# Altium PCB HallFM2_2.PcbDoc (part 2 of 3) (continued)
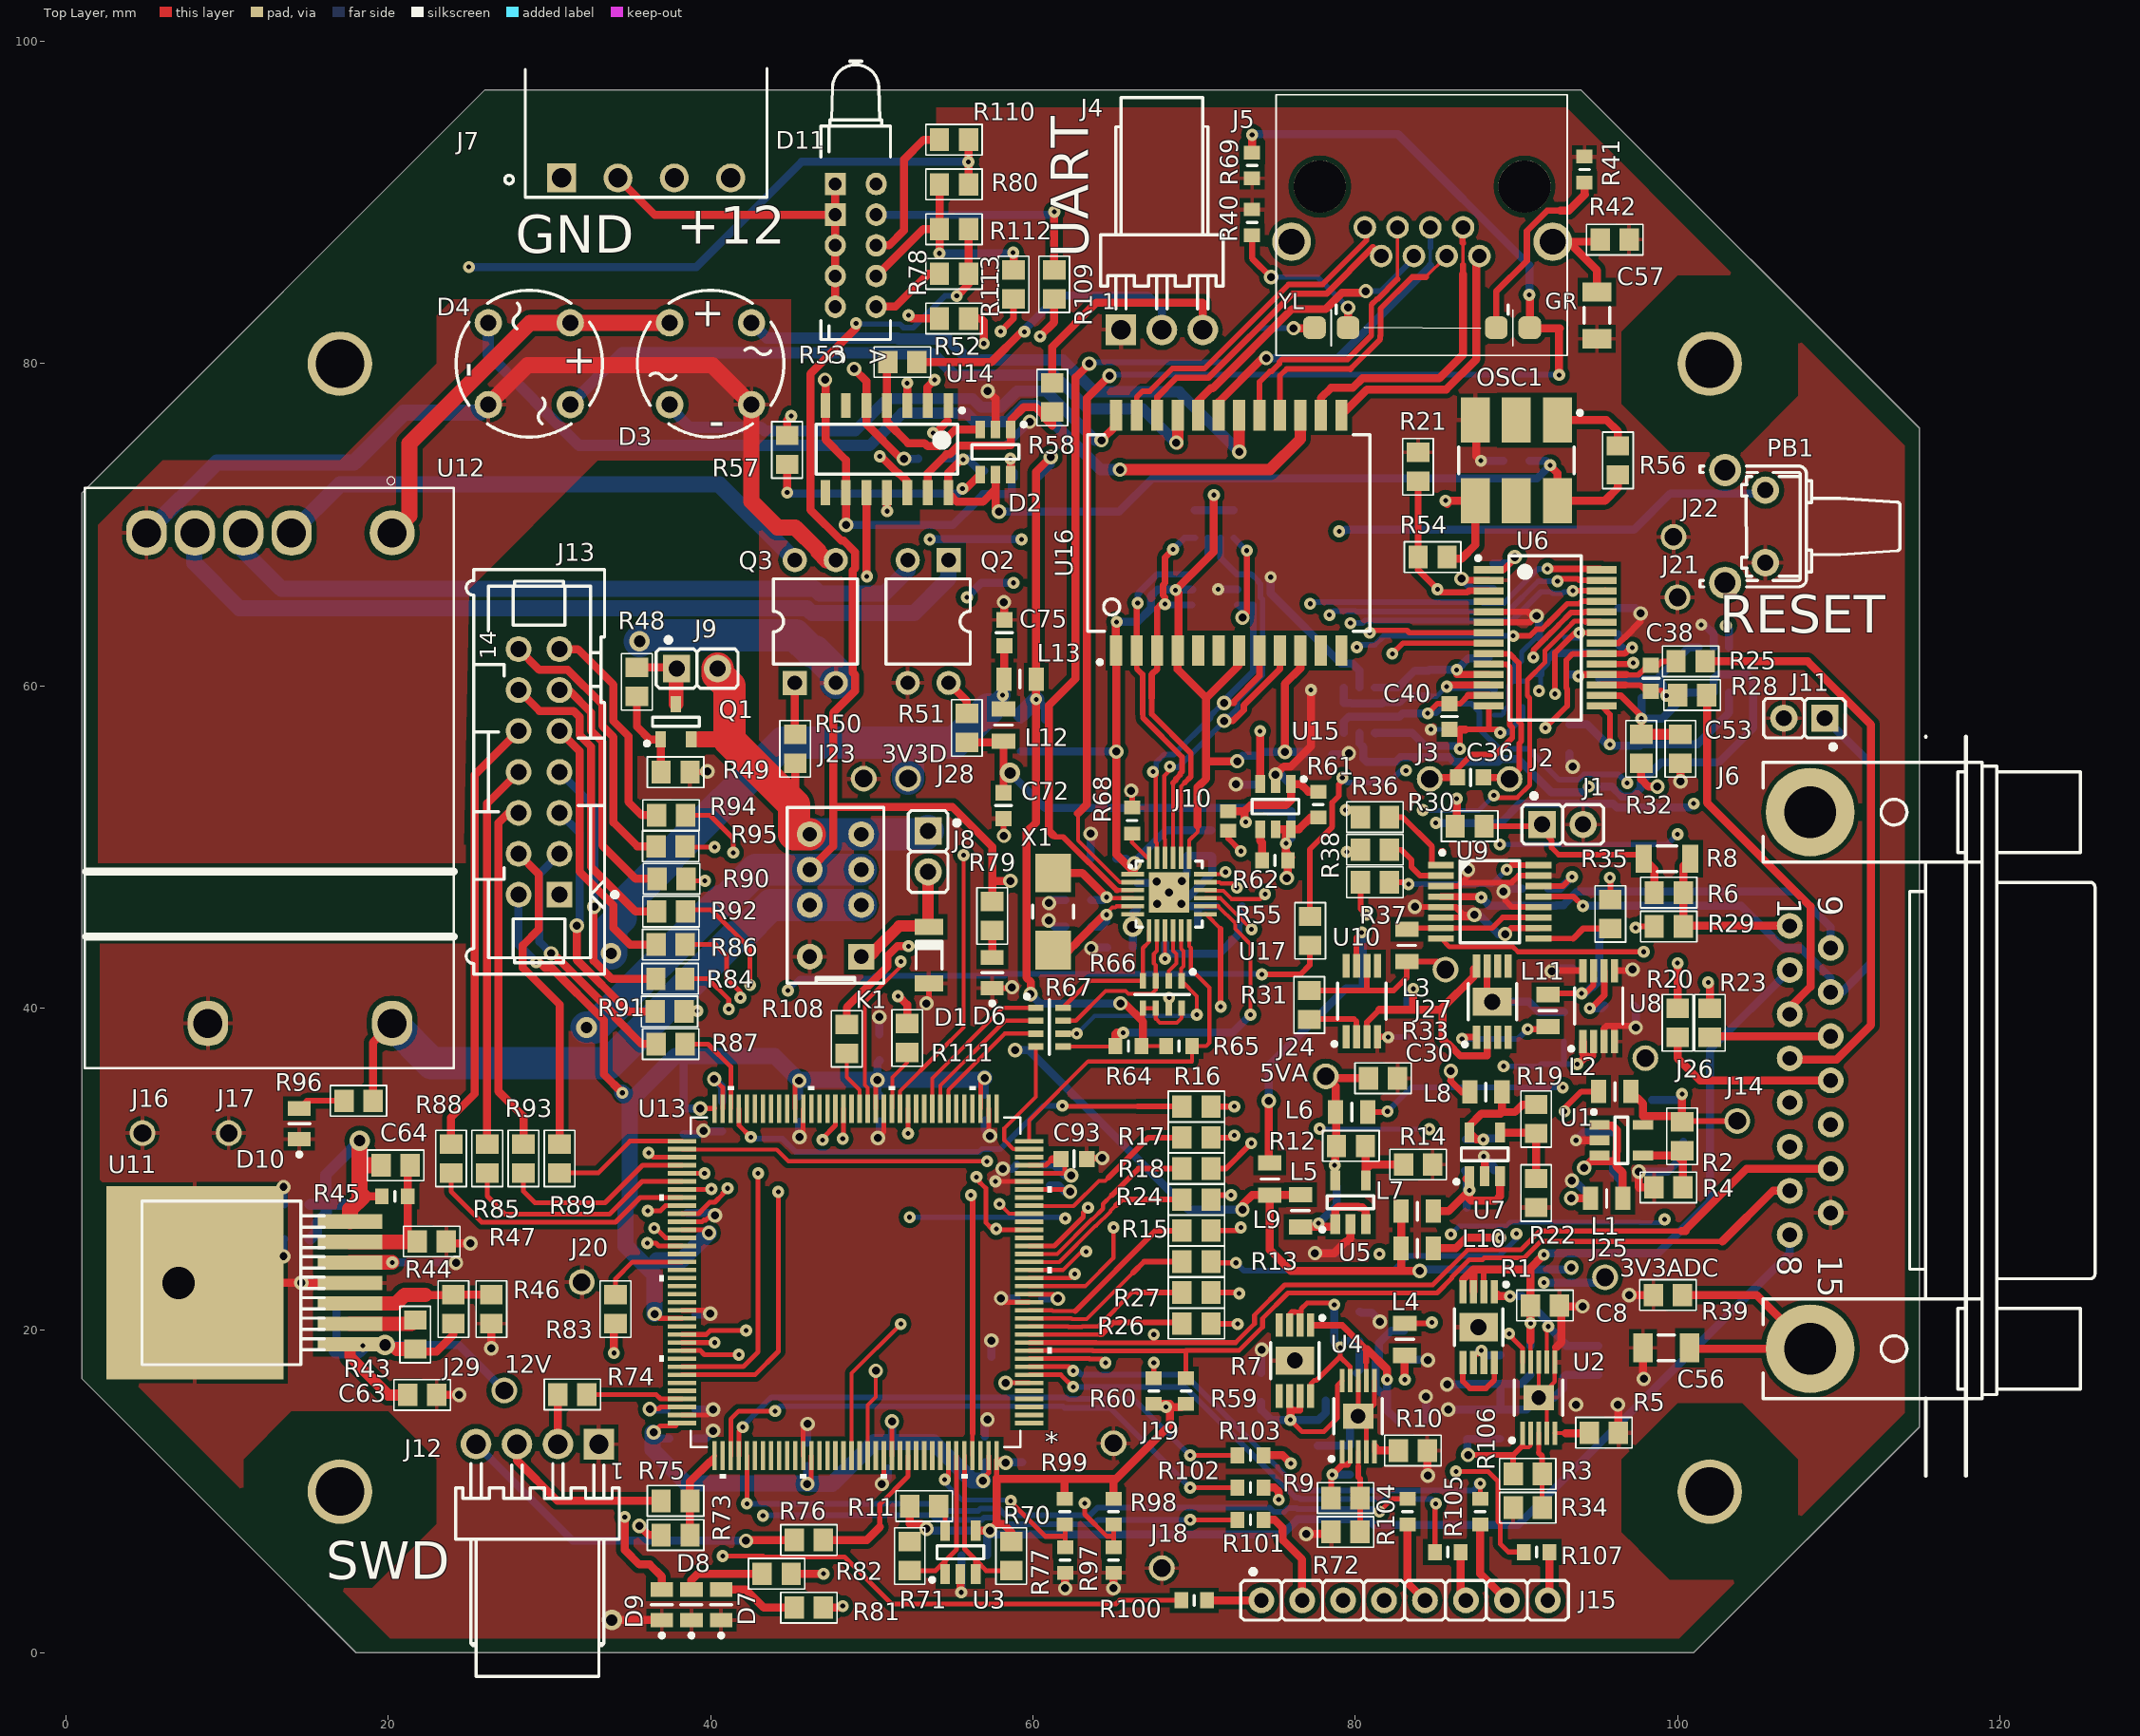
[diagram p0: Top Layer view]
## Nets (pads, with @x,y where several pads share a name; then routed paths per layer and width w, separated by ;. In a path a pad name is that pad's centre, name@x,y a point inside that pad or via, vN(x,y) a via of type N, cw(c..) or ccw(c..) an arc to the next point about the centre after c; other vN are vias at no path point) (continued)
  Bottom Layer w2: v3(35.6,62.775) 35.955,63.13 45.275,63.13 46.265,62.14 46.477,62.14 47.77,60.847 Q3.2@47.77,60.19
  other v2: 39.552,32.402
  other v4: 67.7,46.475 69.25,47.9
Hal_current_2mA: C3.2 C8.2 J6.2 R1.2 R1.3 R1.4 U2.9 | length 43.7
  Top Layer w0.25: 90.875,19.35 90.875,18.035 U2.9@90.88,18.03
  Top Layer w0.35: R1.2@87.98,22.405 87.98,23.78 88,23.8
  Top Layer w0.5: 86.68,23.145 87.33,23.795 ; R1.3@87.33,22.405 87.33,23.795 ; 87.98,23.78 90.78,23.78 v1(91.7,24.7) ; 88,23.8 87.335,23.8 87.33,23.795 ; 90.875,19.35 v1(90.875,20.45) C8.2@90.875,21.55 90.875,23.8
  Bottom Layer w0.5: C3.2@90.875,19.05 v1(90.875,20.45) ; v1(91.7,24.7) 91.8,24.8 98.8,24.8 102,28 102,37.41 J6.2@106.96,42.37
ind0: R113.2 U13.49 | length 55.9
  Top Layer w0.25: U13.49@51.75,33.77 51.75,34.85 54.186,37.286 55.7,38.8 v1(55.7,49.5)
  Top Layer w0.4: v1(58,82) 58.8,82.8 R113.2@58.8,84.025
  Signal Layer 2 w0.5: v1(55.7,49.5) 55.7,59.423 55.97,59.693 55.97,65.43 v1(55.9,65.5) ; v1(58,82) 58,78.773 58.1,78.673 58.1,75.767 59.425,74.442 59.425,70.392 58.475,69.442 58.475,66.725 v1(58.8,66.4)
  Bottom Layer w0.5: v1(55.9,65.5) 56.8,66.4 v1(58.8,66.4)
ind1: R111.2 U13.50 | length 3.9
  Top Layer w0.25: U13.50@51.25,33.77 51.275,33.795 51.275,35.7 52.2,36.625 R111.2@52.2,37.25
ind2: R109.2 U13.53 | length 62.2
  Top Layer w0.25: U13.53@49.75,33.77 49.75,35.058 49.577,35.231 49.577,40.378 51.8,42.6 v1(51.8,42.9)
  Top Layer w0.5: v1(60.45,81.7) 61.325,82.575 R109.2@61.325,84.025
  Signal Layer 2 w0.5: v1(51.8,42.9) 51.45,43.25 51.45,52.276 52.174,53 52.768,53 53.5,53.732 53.5,57.223 51.03,59.693 51.03,61.53 53.5,64 53.5,69 v1(53.6,69.1) ; v1(59.3,69.1) 60.125,69.925 60.125,74.802 58.9,76.027 58.9,79.925 60.45,81.475 v1(60.45,81.7)
  Bottom Layer w0.5: v1(53.6,69.1) v1(59.3,69.1)
ind3: R108.2 U13.54 | length 3.8
  Top Layer w0.25: R108.2@48.45,37.2 48.45,35.722 49.25,34.922 U13.54@49.25,33.77
iT+: C15.2 C20.2 J6.9 R7.2 R7.3 R7.8 U4.9 U9.4 | length 74.9
  Top Layer w0.3: 76.275,21.15 76.645,21.15 76.655,21.16 76.655,21.355 77,21.7 78.6,21.7 v1(78.7,21.6) ; R7.8@77.23,15.93 77.23,16.675 77.46,16.905 77.6,16.905 79.075,18.38 ; v1(79.075,18.95) 79.075,18.38 ; U4.9@79.68,16.88 79.68,17.752 79.677,17.752 79.075,18.355 79.075,18.38
  Top Layer w0.35: R7.3@75.93,20.33 75.93,21.005 76.075,21.15 76.275,21.15 ; v1(87.825,46.875) v1@87.825,46.925
  Top Layer w0.45: U9.4@85.325,46.925 v1@87.825,46.925
  Signal Layer 2 w0.3: v1(78.7,21.6) 80.539,21.6 85.325,26.386 85.325,35.544 85.125,35.744 85.125,36.928 82.875,39.178 82.875,42.55 87.2,46.875 v1(87.825,46.875)
  Bottom Layer w0.5: v1(78.7,21.6) 78.7,19.325 v1(79.075,18.95) ; 79.375,19.35 C15.2@80.275,19.35 80.275,17.55 C20.2@80.075,17.35 ; v1(87.825,46.875) 88.275,46.425 88.275,46.35 92.45,46.35 92.5,46.4 92.925,46.4 93.775,47.25 107.275,47.25 109.5,45.025 J6.9@109.5,43.74
iT-: J6.10 J11.1 U9.13 | length 39.8
  Top Layer w0.35: U9.13@91.375,46.925 93.55,46.925 v1(94.125,46.35)
  Bottom Layer w0.5: v1(94.125,46.35) 103.952,46.35 106.552,43.75 107.625,43.75 109.5,41.875 ; J11.1@109.14,58 112,55.14 112,42.8 110.2,41 J6.10@109.5,41
MX1_N: J5.2 U16.22 | length 19.1
  Top Layer w0.4: U16.22@67.71,76.805 67.71,77.947 68.888,79.125 70.888,79.125 76.106,84.342 78.206,84.342 81.1,87.237 81.1,87.192 J5.2@81.61,86.682
MX1_P: J5.1 U16.23 | length 20.3
  Top Layer w0.35: U16.23@66.44,76.805 66.44,77.932 66.8,78.292 67.242,78.292 68.65,79.7 70.65,79.7 75.867,84.917 77.967,84.917 80.693,87.643 80.693,88.361 J5.1@80.594,88.46 J5.1@80.535,88.401
MX3_N: J5.6 U16.16 | length 17.1
  Top Layer w0.2: 84.367,85.375 J5.6@85.674,86.682
  Top Layer w0.35: U16.16@75.33,76.805 75.33,79.26 75.745,79.675 79.703,79.675 ; 79.728,79.7 81.55,81.522 81.55,81.725 81.575,81.75 81.575,83.421 83.529,85.375
  Top Layer w0.4: 79.703,79.675 79.728,79.7 ; 83.529,85.375 84.367,85.375 ; J5.6@85.674,86.682 J5.6@85.775,86.581
MX3_P: J5.3 U16.17 | length 17.7
  Top Layer w0.2: 82.626,85.25 J5.3@82.626,88.46
  Top Layer w0.35: U16.17@74.06,76.805 74.06,78.873 74.712,79.525 74.817,79.525 75.3,80.008 75.3,80.113 75.462,80.275 79.525,80.275 81,81.75 81,83.659 81.337,83.996 81.372,83.996 82.626,85.25
NetC1_1: C1.1 C2.1 R1.6 R1.7 U2.10 | length 6.9
  Top Layer w0.3: v1(89.55,19.8) 89.775,19.575 89.775,19.5 90.38,18.895 U2.10@90.38,18.03
  Top Layer w0.35: R1.6@87.33,18.005 R1.6@87.33,18.252 ; v1@87.625,18.547 v1(87.829,18.751) v1(87.829,18.751) R1.7@87.803,18.725
  Signal Layer 2 w0.5: v1(87.829,18.751) 88.86,18.751 88.861,18.75 88.911,18.75 89.55,19.389 v1(89.55,19.8)
  Bottom Layer w0.5: v1(87.829,18.751) 87.651,18.751 87.65,18.75 87.975,18.75 87.975,18.455 88.98,18.455 C1.1@89.005,18.48
NetC4_2: C4.2 C5.2 L1.2 U1.1 U1.3 | length 12.3
  Top Layer w0.5: v2(94.2,30.1) 94.6,30.5 96.2,30.5 ; U1.1@95.155,32.755 95.185,32.725 95.94,32.725 96.23,32.435 96.23,31.13 96.2,31.1 96.2,30.5 ; L1.2@96.6,28.2 96.6,29.8 96.2,30.2 96.2,30.5
  Bottom Layer w0.5: v2(94.2,30.1) 94.6,30.5 C4.2@96,30.5 96,29.8 96.502,29.298 C5.2@96.502,28.198
NetC6_2: C6.2 C7.2 J14.1 L2.1 L4.1 R2.2 U1.5 | length 41
  Top Layer w0.35: L4.1@83.075,20.45 84.7,20.45 v1(84.75,20.5) ; R2.2@100.28,32.955 100.325,33 J14.1@103.7,33
  Top Layer w0.5: L2.1@97.105,34.83 97.855,34.08 97.855,33.3 99.935,33.3 R2.2@100.28,32.955 100.28,34.67 v1(100.275,34.675)
  Signal Layer 2 w0.35: v1(84.75,20.5) 85.932,21.682 v1(85.932,25.968) ; v1(99.2,26.9) 99.2,33.6 v1(100.275,34.675)
  Bottom Layer w0.3: v1(85.932,25.968) 86.439,26.475 89.37,26.475 89.62,26.725 97.644,26.725 97.669,26.7 99,26.7 v1(99.2,26.9)
  Bottom Layer w0.5: C6.2@98.4,34.3 100.25,34.3 100.275,34.275
NetC9_2: C9.2 C10.2 L2.2 R3.1 U2.1 U2.2 | length 36.2
  Top Layer w0.25: 90.475,12.75 90.775,12.75 90.88,12.855 U2.2@90.88,13.63
  Top Layer w0.35: v2(87,12.275) 89.8,12.275 ; R3.1@89.8,11.1 89.8,12.275 ; 90.38,12.855 89.8,12.275 ; v1(93,33.6) 93,33.8 94.03,34.83 L2.2@95.105,34.83
  Signal Layer 2 w0.3: v2(87,12.275) 87,14.1 92.7,19.8 92.7,23.369 92.4,23.669 92.4,24.375 92.425,24.4 92.425,25 92.4,25.025 92.4,33 v1(93,33.6)
  Bottom Layer w0.5: v2(87,12.275) 87,12.1 86.955,12.145 C10.2@86.955,13.28 C9.2@88.98,13.28
NetC11_2: C11.2 C12.2 R1.1 U2.7 | length 10.4
  Top Layer w0.25: R1.1@88.63,22.405 R1.1@88.785,22.25 ; U2.7@91.88,18.03 91.88,19.945 91.775,20.05 v1@91.975,20.25
  Top Layer w0.5: R1.1@88.785,22.25 88.909,22.126 v1(89.604,22.126)
  Bottom Layer w0.5: v1(89.604,22.126) 90.366,22.126 91.975,20.517 v1(91.975,20.25) 93.075,19.15 C12.2@93.075,19.05 C11.2@95.075,19.05
NetC13_1: C13.1 C14.1 R7.6 R7.7 U4.10 | length 13.9
  Top Layer w0.3: v1(75.975,14.45) 76.7,13.725 78.05,13.725 78.89,14.565 78.89,16.59 U4.10@79.18,16.88
  Top Layer w0.4: 75.975,15.15 76.07,15.055 76.58,15.055 R7.7@76.58,15.93
  Top Layer w0.5: v1(75.975,14.45) 75.975,15.15
  Bottom Layer w0.5: C13.1@74.175,15.55 74.175,15.075 74.8,14.45 v1(75.975,14.45) 77.725,14.45 78.175,14.9 C14.1@78.175,15.65
NetC18_2: C18.2 U13.71 | length 3.7
  Top Layer w0.3: v2(40.227,35.602) 40.75,35.079 U13.71@40.75,33.77
  Bottom Layer w0.5: v2(40.227,35.602) 40.725,35.104 C18.2@40.725,34.175
NetC19_2: C19.2 U13.106 | length 3.1
  Top Layer w0.3: v2(36.225,15.125) 36.775,15.125 36.9,15.25 U13.106@38.23,15.25
  Bottom Layer w0.5: v2(36.225,15.125) 36.25,15.1 C19.2@37.275,15.1
NetC21_2: C21.2 C22.2 L4.2 R9.1 U4.1 U4.2 | length 14.5
  Top Layer w0.35: R9.1@78.5,9.6 78.5,10.975 v1(78.575,11.05) ; 79.18,11.655 79.53,11.655 79.555,11.68 79.555,11.727 U4.2@79.601,11.774
  Top Layer w0.4: v1(78.575,11.05) 79.18,11.655
  Top Layer w0.5: v1(83.075,16.95) L4.2@83.075,18.45
  Signal Layer 2 w0.5: v1(78.575,11.05) 80.875,11.05 83.075,13.25 v1(83.075,16.95)
  Bottom Layer w0.5: v1(78.575,11.05) C21.2@79.675,11.05
NetC23_2: C23.2 C24.2 R7.1 U4.7 | length 17
  Top Layer w0.25: 80.675,18.05 80.675,16.885 U4.7@80.68,16.88
  Top Layer w0.4: R7.1@77.23,20.33 79.195,20.33 80.675,18.85 80.675,18.05
  Top Layer w0.5: 80.675,18.85 80.721,18.85 81.975,17.596 v1(81.975,16.95)
  Bottom Layer w0.5: v1(81.975,16.95) 81.975,15.75 ; C23.2@82.575,14.45 81.975,15.05 81.975,15.75 ; C24.2@83.03,19.98 82.228,19.98 81.475,19.227 81.475,18.25 81.275,18.05 81.275,16.45 81.975,15.75
NetC27_2: C27.2 C28.2 L5.2 U5.1 U5.3 | length 8.8
  Top Layer w0.5: L5.2@76.605,26.43 78.58,26.43 U5.1@78.755,26.605 78.755,27.48 78.955,27.68 80.191,27.68 80.221,27.65 80.425,27.65 80.655,27.42 U5.3@80.655,26.605
  Bottom Layer w0.5: v1(77.725,26.65) 78.855,27.78 C28.2@78.855,28.955
NetC29_2: C29.2 C30.2 J24.1 L6.1 R12.2 U5.5 | length 15
  Top Layer w0.5: J24.1@78.175,35.775 J24.1@78.3,35.65 ; v1@78.755,30.25 78.755,31.38 R12.2@78.83,31.455 78.83,33.502 L6.1@78.78,33.552 78.78,35.17 78.463,35.488 J24.1@78.3,35.65 ; C30.2@80.83,35.65 J24.1@78.3,35.65
  Signal Layer 2 w0.5: v1(78.725,30.25) 78.725,27.525 v1(81.5,24.75)
NetC32_2: C32.2 C33.2 L7.2 U7.1 U7.3 | length 10.3
  Top Layer w0.5: L7.2@84.85,27.4 85.78,27.4 v1(87.08,28.7) ; U7.1@86.905,29.405 U7.1@87.08,29.58 v1(87.08,28.7) ; U7.3@88.98,29.58 88.98,28.33 88.7,28.05 87.2,28.05 87.08,28.17 v1(87.08,28.7)
  Bottom Layer w0.5: C33.2@86.805,29.93 86.925,29.81 v1@86.925,28.545 ; C32.2@86.925,27.625 v1@86.925,28.545 ; v1(87.08,28.7) v1@86.925,28.545
NetC34_2: C34.2 C35.2 J25.1 L8.1 R19.2 U7.5 | length 26.1
  Top Layer w0.5: v1(87.95,31.85) 87.51,31.85 U7.5@87.08,32.28 87.08,32.705 87.825,33.45 89,33.45 89.105,33.555 ; L8.1@89.105,34.805 89.105,33.555 ; R19.2@91.225,34.025 90.375,34.025 89.905,33.555 89.105,33.555 ; J25.1@95.175,22.975 J25.1@95.5,23.3
  Signal Layer 2 w0.5: v1(87.95,31.85) 87.863,31.85 87.155,31.142 87.155,29.792 87.905,29.042 87.905,24.895 89.7,23.1 91.425,23.1 91.575,22.95 91.675,22.95 v1(91.7,22.975)
  Bottom Layer w0.5: C35.2@86.855,31.855 v1@87.95,31.855 ; v1@88.03,31.93 C34.2@88.98,31.93 ; v1(91.7,22.975) 95.175,22.975 J25.1@95.5,23.3
NetC36_1: C36.1 J3.1 U6.10 | length 12.6
  Top Layer w0.35: C36.1@86.025,54.15 86.025,54.325 86.025,54.525 87.25,55.75 88.711,55.75 89.75,56.789 89.75,57.411 89.6,57.561 89.6,61.15 89.395,61.355 U6.10@88.28,61.355
  Top Layer w0.45: J3.1@84.625,54.225 84.725,54.325 86.025,54.325 C36.1@86.35,54.325
NetC36_2: C36.2 J2.1 U6.9 | length 11.3
  Top Layer w0.35: U6.9@88.28,62.005 89.57,62.005 90.15,61.425 90.15,57.788 90.3,57.638 90.3,56.562 90.175,56.437 90.175,54.825 J2.1@89.575,54.225
  Top Layer w0.45: C36.2@87.95,54.325 89.475,54.325 J2.1@89.575,54.225
NetC39_2: C39.2 L9.1 U10.7 | length 19.6
  Top Layer w0.35: U10.7@80.08,42.63 80.08,44.378 v1(80.404,44.702)
  Top Layer w0.5: v2(74.629,34.252) 74.629,30.471 L9.1@74.7,30.4
  Bottom Layer w0.5: v2(74.629,34.252) 74.629,36.429 79.43,41.23 C39.2@80.48,41.23 80.48,44.626 v1(80.404,44.702)
NetC41_2: C41.2 C42.2 J26.1 L11.1 U8.7 | length 14.5
  Top Layer w0.35: L11.1@91.95,40.85 92.025,40.925 v1(94.05,40.925) ; v1@94.162,40.812 94.78,41.43 U8.7@94.78,42.33
  Signal Layer 2 w0.5: v1(94.05,40.925) 94.792,40.925 95.8,39.917 95.8,39.1 J26.1@98,36.9
  Bottom Layer w0.5: v1(94.05,40.925) 94.285,40.925 94.692,41.332 94.76,41.332 95.28,41.852 C41.2@95.28,42.48 ; C41.2@95.155,42.48 95.155,44.355 95.28,44.48 C42.2@95.155,44.605
NetC43_2: C43.2 U8.6 | length 3.8
  Top Layer w0.4: v1(94.55,40) 94.65,40 95.455,40.805 95.455,42.305 U8.6@95.43,42.33
  Bottom Layer w0.5: v1(94.55,40) 95.296,40 C43.2@95.478,40.182
NetC44_2: C44.2 L10.2 U8.1 U8.2 | length 24.3
  Top Layer w0.35: 94.45,37 94.75,37 94.78,37.03 U8.2@94.78,37.93
  Top Layer w0.5: L10.2@84.85,25.1 86.231,25.1 86.881,25.75 v1(89,25.75) ; v1(93.78,36.527) 93.827,36.527 94.3,37 ; U8.1@94.13,37.93 94.13,37.17 94.3,37 ; 94.45,37 94.3,37
  Signal Layer 2 w0.35: v1(89,25.75) 89,36.2 v1(89.2,36.4)
  Bottom Layer w0.35: v1(89.2,36.4) 91.4,36.4 91.527,36.527 92.9,36.527 ; C44.2@92.955,37.955 92.955,36.582 92.9,36.527 ; v1(93.78,36.527) 92.9,36.527
NetC46_2: C46.2 R33.2 R33.8 U10.3 | length 18.4
  Top Layer w0.35: U10.3@80.73,38.23 80.73,39.14 81.49,39.9 ; R33.8@87.375,42.45 R33.8@87.53,42.605 ; R33.2@88.15,38.235 R33.2@88.18,38.205
  Top Layer w0.45: 85.8,37.769 86.514,37.055 88.18,37.055 R33.2@88.18,38.205
  Top Layer w0.5: 81.49,39.9 83.625,39.9 ; v1(83.6,41.2) 83.6,39.925 83.625,39.9 ; 85.8,37.769 85.731,37.769 85.421,38.079 85.421,40.033 ; R33.8@87.375,42.45 87.375,41.986 85.421,40.033 ; 83.625,39.9 85.289,39.9 85.421,40.033
  Bottom Layer w0.5: C46.2@83.25,40 83.25,40.85 v1(83.6,41.2)
NetC56_2: C56.2 J6.16 J6.17 R39.1 | length 53.1
  Top Layer w0.5: R39.1@100.3,22.2 104.9,22.2 J6.17@108.23,18.87 100.805,18.87 C56.2@100.75,18.925
  Signal Layer 2 w0.5: J6.17@108.23,18.87 108.23,19.73 111.8,23.3 111.8,48.6 J6.16@108.23,52.17
NetC57_2: C57.2 J5.13 J5.14 R42.2 | length 25.9
  Top Layer w0.35: J5.14@92.253,87.571 J5.14@92.6,87.918 ; R42.2@95.071,87.571 R42.2@95.2,87.7
  Top Layer w0.5: J5.13@76.043,87.575 J5.13@76.047,87.571 ; J5.14@92.253,87.571 J5.14@93.225,87.571 ; C57.2@95,84.45 95,85.796 J5.14@93.225,87.571 ; R42.2@95.071,87.571 J5.14@93.225,87.571
  Top Layer w0.7: J5.13@76.047,87.571 J5.13@76.047,87.778
  Signal Layer 2 w0.5: J5.13@76.047,87.571 77.671,87.571 80.2,90.1 86.8,90.1 89.329,87.571 J5.14@92.253,87.571
NetC60_2: C60.2 C61.2 C64.2 C65.2 C75.2 J28.1 L12.1 L13.1 R45.1 U11.7 | length 74.7
  Top Layer w0.5: 18.3,28.325 18.45,28.325 R45.1@19.6,28.325 ; L13.1@58.2,60.425 58.225,60.45 C75.2@58.225,62.5
  Top Layer w1: U11.7@17.63,26.765 17.63,27.505 18.45,28.325 ; v3(18.225,31.775) 18.225,30.35 ; 18.3,28.325 18.225,28.4 18.225,30.35 ; C64.2@19.45,30.35 C64.2@19.55,30.25 18.325,30.25 18.225,30.35
  Signal Layer 2 w2: v3(18.225,31.775) 20.808,31.775 32.433,43.4 v3(33.825,43.4)
  Bottom Layer w0.7: C61.2@15.15,25.675 15.545,26.07 15.545,26.625 16.15,27.23 16.15,27.8 16.125,27.825 ; C60.2@15.15,27.825 16.125,27.825 ; C65.2@17.2,27.875 17.15,27.825 16.125,27.825 ; v3(18.225,31.775) 16.125,29.675 16.125,27.825
  Bottom Layer w1: 57.225,58.55 57.25,58.55 v1(58.125,59.425)
  Bottom Layer w2: v3(33.825,43.4) 33.825,45.017 34.426,45.619 34.426,46.237 37.328,49.14 37.328,49.306 44.498,56.475 52.275,56.475 ; J28.1@52.25,54.25 52.25,56.45 52.275,56.475 ; 57.225,58.55 55.15,56.475 52.275,56.475
NetC64_1: C64.1 R45.2 R47.1 U11.6 | length 9
  Top Layer w0.5: C64.1@21.35,30.25 21.2,30.1 R45.2@21.2,28.325 21.2,25.545 21.25,25.495 21.77,25.495 R47.1@21.8,25.525
  Top Layer w0.9: U11.6@17.63,25.495 R47.1@21.25,25.495
NetC66_2: C66.2 U11.5 | length 3.7
  Top Layer w0.9: U11.5@17.63,24.225 v1(20.25,24.225)
  Bottom Layer w0.5: v1(20.25,24.225) C66.2@21.35,24.225
NetC81_2: C81.2 C83.2 U17.6 | length 3.5
  Top Layer w0.25: v3(66.195,45.055) U17.6@66.195,45.825
  Bottom Layer w0.5: C83.2@66.2,43.775 66.2,45.036 66.289,45.125 66.289,45.149 v3(66.195,45.055) 66.195,45.895 C81.2@66.475,46.175
NetC87_1: C87.1 U17.4 X1.1 | length 6.3
  Top Layer w0.25: v1@64.875,46.825 U17.4@66.195,46.825
  Top Layer w0.5: X1.1@61.25,48.4 63.05,48.4 64.561,46.889 v1(64.564,46.889)
  Bottom Layer w0.5: C87.1@63.625,46.7 64.375,46.7 v1(64.564,46.889)
NetC88_1: C88.1 U17.5 X1.2 | length 7.2
  Top Layer w0.25: v1@64.75,46.075 64.925,46.25 65.113,46.25 65.188,46.325 U17.5@66.195,46.325
  Top Layer w0.5: X1.2@61.25,43.6 62.25,43.6 62.725,44.075 62.725,44.098 64.49,45.862 v1@64.512,45.862
  Bottom Layer w0.5: C88.1@63.625,45.05 64.2,45.05 64.55,45.4 64.55,45.775 v1(64.575,45.8)
NetD1_1: D1.1 J8.2 K1.1 | length 8.4
  Top Layer w0.7: K1.1@49.35,43.2 49.875,43.2 50.175,43.5 50.175,43.573 51.702,45.1 D1.1@53.5,45.1 ; J8.2@53.5,48.46 D1.1@53.5,45.1 ; D1.1@53.55,45.05 D1.1@53.5,45.1
NetD2_1: D2.1 R58.1 U14.13 | length 13
  Top Layer w0.5: U14.13@53.48,72 53.48,73.22 54.635,74.375 54.832,74.375 55.382,74.925 58.283,74.925 58.308,74.95 58.625,74.95 D2.1@58.625,75.925 58.65,75.9 58.65,76.523 59.429,77.302 60.175,77.302 60.702,76.775 60.702,76.648 61.2,76.15 R58.1@61.2,77
NetD2_3: D2.3 R53.1 U14.4 | length 10.6
  Top Layer w0.5: R53.1@51,80.1 50.94,80.04 U14.4@50.94,77.4 50.94,76.385 52.25,75.075 53.265,75.075 53.461,74.879 54.144,74.879 55.191,75.925 D2.3@56.725,75.925
NetD2_4: D2.4 R57.1 U14.11 | length 16.5
  Top Layer w0.5: v1(44.75,72) R57.1@44.75,73.75 ; U14.11@50.94,72 50.95,71.99 v1(50.95,70.85) ; v1(55.628,72.254) 55.854,72.254 D2.4@56.725,73.125
  Bottom Layer w0.5: v1(44.75,72) 45,72 45.05,71.95 51,71.95 ; v1(50.95,70.85) 50.95,71.9 51,71.95 ; v1(55.628,72.254) 55.324,71.95 51,71.95
NetD2_6: D2.6 R52.1 U14.2 | length 16.1
  Top Layer w0.5: U14.2@53.48,77.4 53.45,77.43 53.45,78.55 v1(53.9,79) ; R52.1@56,82.8 56.775,82.8 56.95,82.625 56.95,81.375 57,81.325 57,81.3 v1(56.95,81.25) ; v1(58.6,74.1) 58.625,74.075 D2.6@58.625,73.125
  Signal Layer 2 w0.5: v1(56.95,81.25) 54.7,79 v1(53.9,79) 53.9,78.8 v1(58.6,74.1)
NetD3_1: D3.1 D4.1 U12.1 | length 25.3
  Top Layer w1: U12.1@20.24,69.5 21.3,70.56 21.3,75.05 28.79,82.54 D4.1@31.29,82.54 D3.1@37.46,82.54
NetD3_2: D3.2 U16.24 | length 32.2
  Top Layer w0.5: v2(64.25,75.25) 65.17,76.17 U16.24@65.17,76.805
  Bottom Layer w0.7: D3.2@37.46,77.46 37.46,77.29 38.69,76.06 43.12,76.06 43.355,75.825 48.975,75.825 50.979,77.829 56.257,77.829 56.786,77.3 58.013,77.3 59.013,78.3 60.816,78.3 63.866,75.25 v2(64.25,75.25)
NetD3_3: D3.3 D4.3 Q3.3 U12.5 | length 55.7
  Top Layer w1: D4.3@26.21,77.46 28.65,79.9 40.1,79.9 D3.3@42.54,77.46 42.54,71.46 44.16,69.84 45.251,69.84 46.68,68.411 46.68,68.32 47.19,67.81 Q3.3@47.77,67.81
  Bottom Layer w1: U12.5@5,69.5 9.375,73.875 17.875,73.875 20.95,76.95 25.7,76.95 D4.3@26.21,77.46
NetD3_4: D3.4 U16.18 | length 35.9
  Top Layer w0.7: U16.18@72.79,76.805 72.79,74.535 v2(72.8,74.525)
  Bottom Layer w0.7: D3.4@42.54,82.54 43.501,81.579 51.61,81.579 51.664,81.525 54.717,81.525 56.017,80.225 61.861,80.225 63.836,78.25 69.075,78.25 v2(72.8,74.525)
NetD4_2: D4.2 U16.15 | length 60.1
  Top Layer w0.7: v2(65.4,73.425) 74.7,73.425 76.6,75.325 U16.15@76.6,76.805
  Bottom Layer w0.7: D4.2@26.21,82.54 26.21,80.56 31.845,74.925 49.867,74.925 51.871,76.929 55.884,76.929 56.413,76.4 58.386,76.4 59.386,77.4 60.214,77.4 64.189,73.425 v2(65.4,73.425)
NetD4_4: D4.4 U16.21 | length 43.2
  Top Layer w0.5: v2(68.9,75.1) 68.98,75.02 v2@69,75
  Top Layer w0.7: v2@68.98,75.02 U16.21@68.98,76.805
  Bottom Layer w0.7: D4.4@31.29,77.46 34.509,80.679 51.237,80.679 51.291,80.625 53.8,80.625 55.125,79.3 61.301,79.3 63.401,77.2 66.8,77.2 v2(68.9,75.1)
NetD6_2: D6.2 R79.2 | length 1.7
  Top Layer w0.5: D6.2@57.475,43.15 R79.2@57.475,44.825
NetD7_2: D7.2 R81.2 | length 5
  Top Layer w0.5: D7.2@40.65,3.925 42.175,3.925 43.3,2.8 R81.2@45.2,2.8
NetD8_2: D8.2 R82.2 | length 5.1
  Top Layer w0.5: D8.2@38.813,3.925 38.813,4.513 39.2,4.9 R82.2@43.2,4.9
NetD9_2: D9.2 R83.2 | length 18.2
  Top Layer w0.5: v1(34,18.6) 34,20.325 R83.2@34.1,20.425 ; v1(34.675,8.425) 34.675,6.375 35.575,5.475 36.225,5.475 36.975,4.725 D9.2@36.975,3.925
  Signal Layer 2 w0.35: v1(34,18.6) 34,14.486 34.675,13.811 v1(34.675,8.425)
NetD10_2: D10.2 R96.2 | length 3
  Top Layer w0.35: D10.2@14.475,33.775 14.95,34.25 R96.2@17.25,34.25
NetD11_6: D11.6 R78.1 | length 4.8
  Top Layer w0.5: D11.6@50.275,83.535 51.46,83.535 53.5,85.575 R78.1@54.2,85.575
NetD11_7: D11.7 R80.1 R112.1 R113.1 | length 15.1
  Top Layer w0.5: D11.7@50.275,85.44 50.29,85.44 53.2,88.35 R112.1@54.2,88.35 ; v1(54.2,86.85) R112.1@54.2,88.35 ; R80.1@54.2,91.125 R112.1@54.2,88.35 ; v1(58.775,86.9) 58.8,86.875 R113.1@58.8,85.825
  Bottom Layer w0.5: v1(54.2,86.85) 58.725,86.85 v1(58.775,86.9)
NetD11_8: D11.8 R110.1 R111.1 | length 62.4
  Top Layer w0.5: D11.8@50.275,87.345 51.07,87.345 52,88.275 52,92.675 53.225,93.9 R110.1@54.2,93.9 ; v1(51.625,40.75) 51.675,40.75 52.2,40.225 R111.1@52.2,39.05
  Signal Layer 2 w0.5: D11.8@50.275,87.345 51.375,86.245 51.375,79.142 51.375,78.458 53.058,76.775 53.525,76.775 53.771,76.529 54.146,76.529 54.35,76.325 54.35,76.323 54.628,76.045 54.628,75.362 54.027,74.761 54.027,72.76 50.525,69.258 50.525,66.458 50.33,66.263 50.33,59.403 50.75,58.983 50.75,41.625 v1(51.625,40.75)
NetD11_9: D11.9 R109.1 | length 14.7
  Top Layer w0.5: R109.1@61.325,85.825 v1(61.325,89.425)
  Bottom Layer w0.5: D11.9@50.275,89.25 61.15,89.25 v1(61.325,89.425)
NetD11_10: D11.10 R108.1 | length 60.5
  Top Layer w0.5: R108.1@48.45,39 48.45,40.064 50.975,42.589 50.975,43.242 51.583,43.85 v1(52.275,43.85)
  Signal Layer 2 w0.5: D11.10@50.275,91.155 51.598,91.155 53.1,89.653 53.1,79.877 53.075,79.852 53.075,78.635 55.625,76.085 55.625,75.345 54.727,74.447 54.727,71.988 55.97,70.745 55.97,66.737 55.075,65.842 55.075,62.247 53.57,60.742 53.57,59.693 54.2,59.063 54.2,53.442 53.058,52.3 52.464,52.3 52.2,52.036 52.2,43.925 v1(52.275,43.85)
NetJ1_1: J1.1 R6.1 R8.1 R30.1 | length 16.2
  Top Layer w0.35: R30.1@88,51.3 89,51.3 ; J1.1@91.6,51.4 91.5,51.3 89,51.3 ; R8.1@97.9,49.275 97.9,49.525 92.625,49.525 92.181,49.969 92.181,50.419 91.744,50.856 91.294,50.856 90.85,51.3 89,51.3
  Top Layer w0.5: R8.1@97.9,49.275 98.55,48.625 R6.1@98.55,47.175
NetJ4_2: J4.2 R53.2 | length 18.6
  Top Layer w0.5: R53.2@52.8,80.1 57.425,80.1 59.304,81.979 v1(59.478,81.979)
  Bottom Layer w0.5: v1(59.478,81.979) 59.478,82.103 61.6,84.225 ; 61.575,84.225 61.6,84.225 ; J4.2@68,82.095 68,83.35 67.125,84.225 61.6,84.225
NetJ4_3: J4.3 R58.2 | length 14.4
  Top Layer w0.5: R58.2@61.2,78.8 61.2,81.058 63.927,83.785 70.54,83.785 J4.3@70.54,82.1
NetJ5_4: J5.4 U16.20 | length 18.1
  Top Layer w0.5: U16.20@70.25,76.805 70.25,77.698 71.027,78.475 71.157,78.475 76.069,83.387 78.169,83.387 79.182,84.4 80.55,84.4 v2(80.654,84.504)
  Bottom Layer w0.35: v2(80.654,84.504) 81.596,84.504 83.642,86.55 J5.4@83.642,86.682
NetJ5_5: J5.5 U16.19 | length 19.7
  Top Layer w0.5: U16.19@71.52,76.805 71.52,77.62 74.25,80.35 v2(74.475,80.35)
  Bottom Layer w0.2: 84.658,86.178 84.658,87.116
  Bottom Layer w0.35: 84.658,87.186 J5.5@84.658,88.46
  Bottom Layer w0.5: v2(74.475,80.35) 78.936,80.35 84.658,86.072
NetJ5_7: J5.7 U16.14 | length 18.9
  Top Layer w0.2: J5.7@86.66,88.43 J5.7@86.69,88.46 ; 86.686,86.139 86.686,87.475
  Top Layer w0.4: J5.7@86.66,88.43 86.66,87.501 86.686,87.475 ; 86.686,85.539 86.686,86.139
  Top Layer w0.5: U16.14@77.87,76.805 77.87,77.87 78.5,78.5 79.845,78.5 80.445,79.1 85.223,79.1 86.686,80.564 86.686,85.539
NetJ5_8: J5.8 U16.13 | length 16.3
  Top Layer w0.5: U16.13@79.14,76.805 80.735,78.4 85.65,78.4 87.525,80.275 87.525,86.501 J5.8@87.706,86.682
NetJ5_9: J5.9 U17.3 | length 51.7
  Top Layer w0.25: 65.259,47.325 U17.3@66.195,47.325
  Top Layer w0.35: 61.25,50.75 61.37,50.63 61.883,50.63 65.188,47.325 65.259,47.325
  Top Layer w0.5: 61.25,50.75 61,51 61,58.808 62.65,60.458 62.65,79.15 v2(63.5,80) ; v2(76.179,82.204) 77.361,82.204 77.432,82.275 J5.9@77.47,82.237
  Bottom Layer w0.35: v2(63.5,80) 63.575,80.075 71.825,80.075 73.954,82.204 v2(76.179,82.204)
NetJ5_10: J5.10 R40.2 | length 9.9
  Top Layer w0.4: R40.2@73.6,87.975 73.6,86.55 v2(74.775,85.375)
  Top Layer w0.5: J5.10@79.553,82.237 79.55,82.24 79.554,82.243 v2(79.554,83.479)
  Bottom Layer w0.35: v2(74.775,85.375) 77.658,85.375 v2(79.554,83.479)
NetJ5_11: J5.11 R69.1 U17.2 | length 92.4
  Top Layer w0.25: 62.8,52.09 62.8,50.42 65.395,47.825 U17.2@66.195,47.825
  Top Layer w0.5: 62.8,52.09 63.35,52.64 63.35,77.85 v2(64.75,79.25) ; R69.1@73.6,93.1 v1(73.6,94.2) ; v1(90.8,84.275) 90.83,84.245 J5.11@90.83,82.237 90.867,82.2 92.7,82.2 92.65,82.15 v1(92.65,79.3)
  Bottom Layer w0.35: v2(64.75,79.25) 64.825,79.325 92.625,79.325 v1(92.65,79.3)
  Bottom Layer w0.5: v1(73.6,94.2) 73.65,94.25 82.65,94.25 90.8,86.1 v1(90.8,84.275)
NetJ5_12: J5.12 R41.2 | length 12.6
  Top Layer w0.4: J5.12@88.377,82.607 J5.12@88.747,82.237 88.747,84.472 90.653,86.378 90.653,88.234 91.919,89.5 92.725,89.5
  Top Layer w0.5: 92.725,89.5 93.25,89.5 94.25,90.5 94.225,90.525 R41.2@94.225,91.25
NetJ6_1: J6.1 R6.2 R8.2 R29.1 | length 11
  Top Layer w0.5: R8.2@100.8,49.275 100.35,48.825 R6.2@100.35,47.175 R29.1@100.35,45.075 100.385,45.11 J6.1@106.96,45.11
NetJ7_3: J7.3 J7.4 J9.1 Q1.3 R48.1 | length 38.9
  Top Layer w0.5: R48.1@35.425,61.15 J9.1@37.82,61.15
  Top Layer w0.7: J9.1@37.82,61.15 37.85,61.12 J9.1@37.89,61.08
  Top Layer w0.9: Q1.3@37.85,58.875 J9.1@37.85,61.12
  Signal Layer 2 w2: J7.3@37.75,91.525 40.225,89.05 ; J9.1@37.89,61.08 37.89,62.715 39.25,64.075 39.25,66.05 ; 41.25,89.765 J7.4@41.25,91.525
  Signal Layer 2 w2.5: 39.25,66.05 39.25,74.6 40.225,75.575 40.225,89.05
NetJ10_1: J10.1 U17.15 | length 10.4
  Top Layer w0.25: U17.15@70.705,46.825 71.641,46.825 v1(73.566,44.9)
  Top Layer w0.35: J10.1@72.125,51.025 72.125,50.525 v1(72.9,49.75)
  Signal Layer 2 w0.35: v1(72.9,49.75) 73.403,49.247 73.403,45.063 v1(73.566,44.9)
NetJ12_2: J12.2 R74.2 | length 3.1
  Top Layer w0.5: J12.2@30.525,12.95 R74.2@30.525,16.025
NetJ12_3: J12.3 R75.2 | length 11
  Top Layer w0.5: J12.3@27.985,12.945 27.985,11.94 30.5,9.425 R75.2@36.925,9.425
NetJ12_4: J12.4 R76.2 | length 22.3
  Top Layer w0.3: v2(42.2,6.95) v2@42.25,7
  Top Layer w0.5: v2@42.25,7 43.7,7 R76.2@45.2,7
  Bottom Layer w0.5: J12.4@25.445,12.95 31.445,6.95 v2(42.2,6.95)
NetJ13_3: J13.3 R87.2 | length 15.9
  Top Layer w0.5: v2(30.1,43.4) 30.224,43.4 34.085,39.539 34.085,39.415 35.725,37.775 R87.2@36.625,37.775
  Bottom Layer w0.5: v2(30.1,43.4) 29.375,44.125 29.375,48.335 J13.3@30.625,49.585
NetJ13_4: J13.4 R89.2 | length 19.9
  Top Layer w0.5: J13.4@28.085,49.585 29.335,48.335 29.335,44.885 28.351,43.901 28.351,42.51 30.625,40.237 R89.2@30.625,31.575
NetJ13_5: J13.5 R91.2 | length 15.9
  Top Layer w0.5: v2(31.7,45.125) 31.7,43.001 34.901,39.8 R91.2@36.55,39.8
  Bottom Layer w0.5: J13.5@30.625,52.125 31.875,50.875 31.875,45.3 v2(31.7,45.125)
NetJ13_6: J13.6 R93.2 | length 22.1
  Top Layer w0.5: J13.6@28.085,52.125 27.45,52.125 26.835,51.51 26.835,34.84 28.383,33.292 R93.2@28.383,31.575
NetJ13_7: J13.7 R84.1 | length 16.9
  Top Layer w0.5: v2(32.776,46.302) 32.74,46.266 32.74,42.951 33.866,41.825 R84.1@36.6,41.825
  Bottom Layer w0.5: J13.7@30.625,54.665 32.776,52.514 v2(32.776,46.302)
NetJ13_8: J13.8 R85.1 | length 23.9
  Top Layer w0.5: R85.1@26.142,31.575 26.135,31.582 26.135,52.715 J13.8@28.085,54.665
NetJ13_9: J13.9 R86.1 | length 16.7
  Top Layer w0.5: J13.9@30.625,57.205 31.875,55.955 31.875,48.476 33.975,46.376 33.975,44.975 35,43.95 R86.1@36.625,43.95
NetJ13_10: J13.10 R88.1 | length 27.4
  Top Layer w0.5: R88.1@23.9,31.575 23.9,33.225 25.375,34.7 25.375,54.495 J13.10@28.085,57.205
NetJ13_11: J13.11 R90.1 | length 15.3
  Top Layer w0.5: J13.11@30.625,59.745 31.195,59.745 32.575,58.365 32.575,57.235 33.275,56.535 33.275,50.1 35.348,48.027 R90.1@36.677,48.027